# Altium PCB PCB1.PcbDoc
Units mil, origin at the board's own origin, x right, y up, seen from the top; angles counter-clockwise.
Board outline 2440.94 x 1541.95 mil, 2 copper layers (Top Layer, Bottom Layer); 69 components, 85 nets, 281 pads, 318 vias.
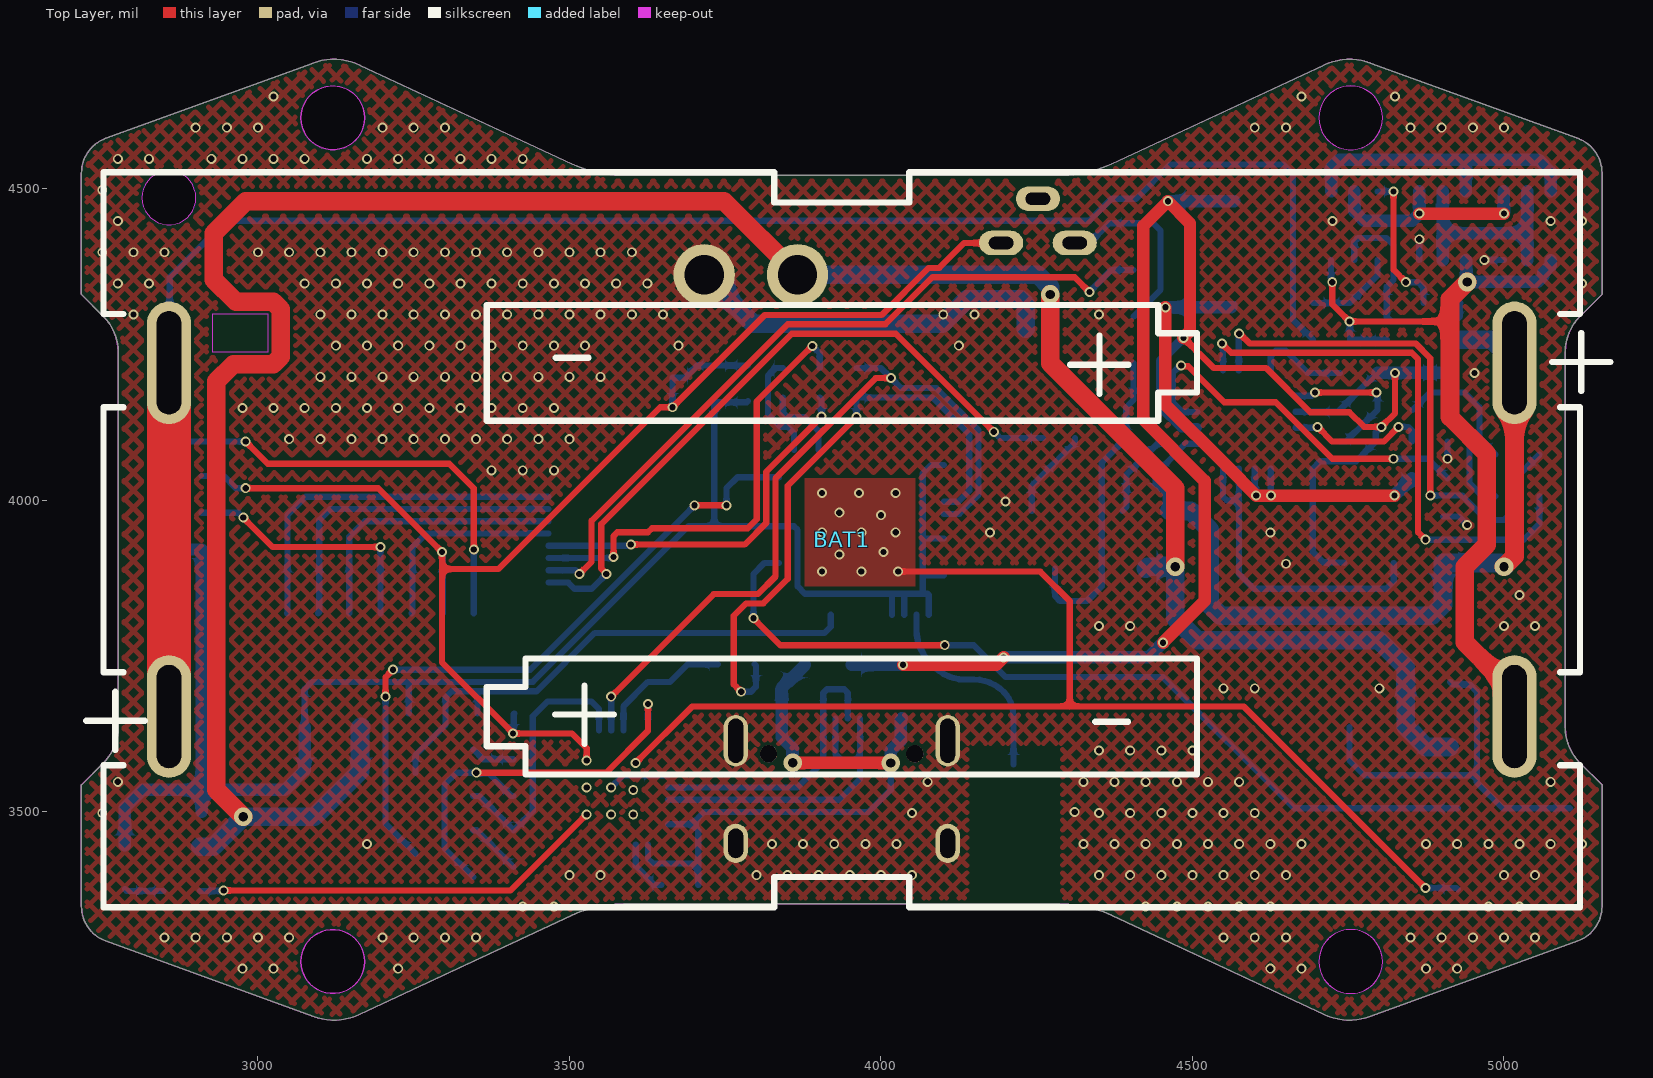
[diagram p0: Top Layer view]
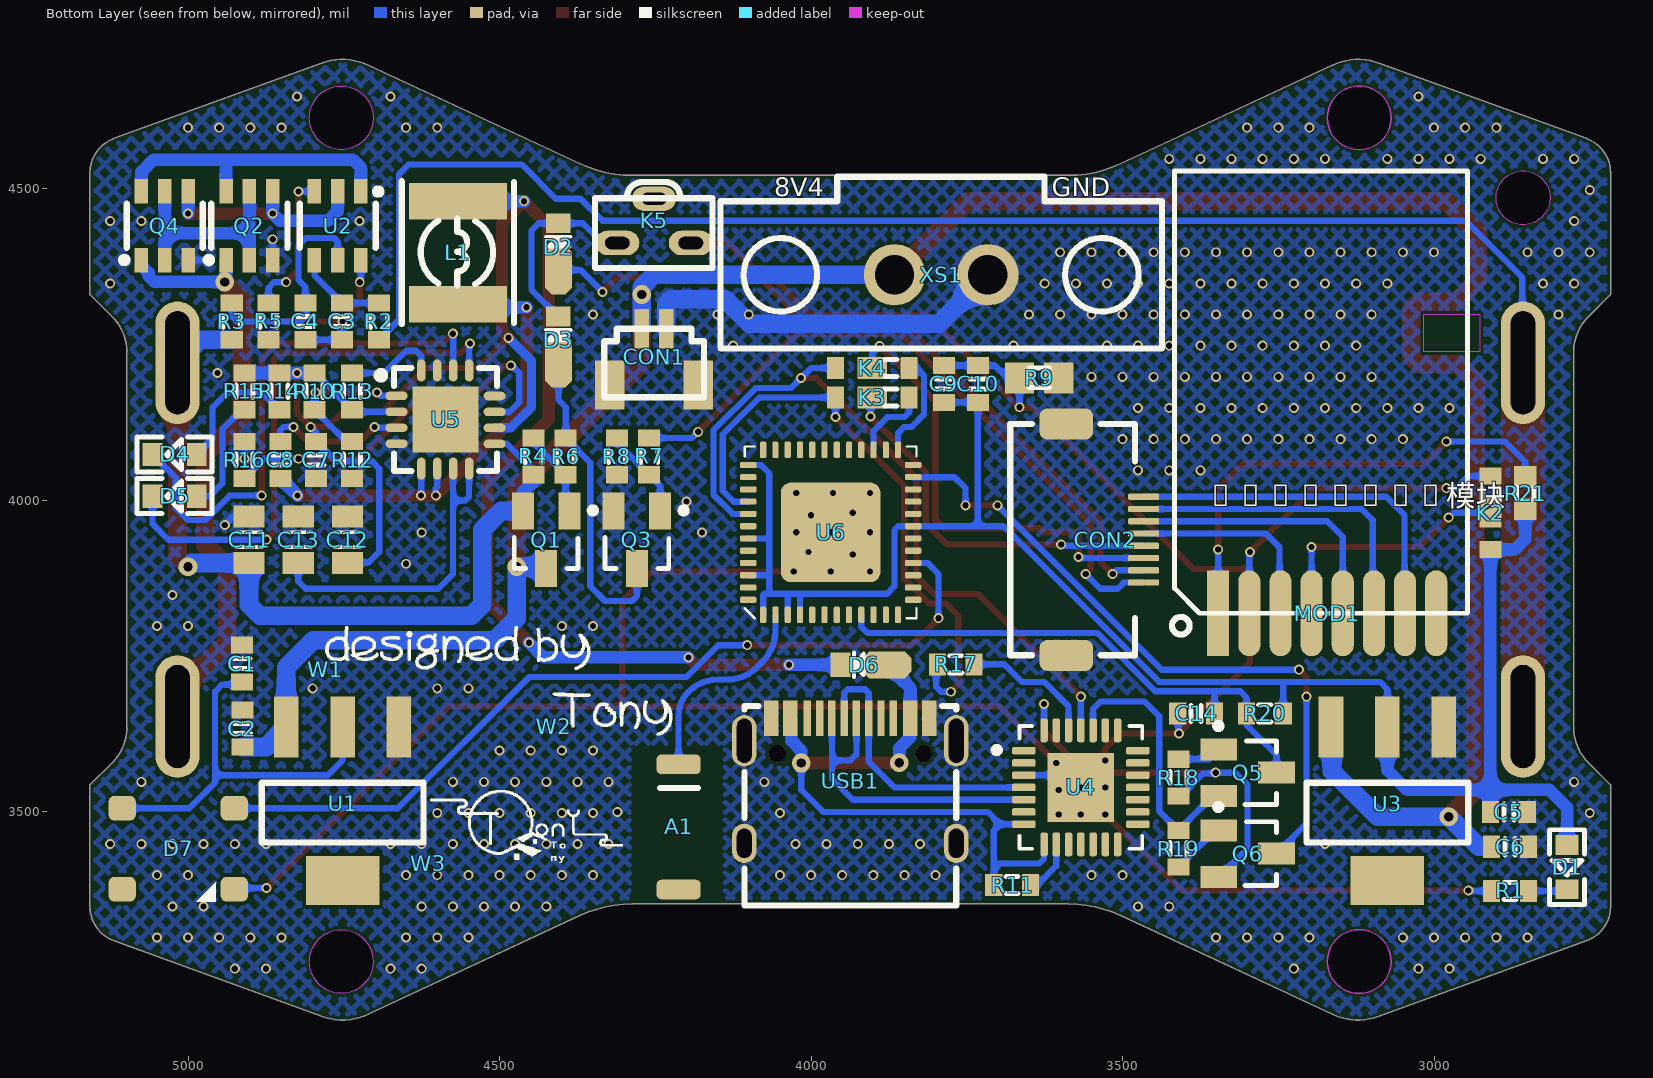
[diagram p1: Bottom Layer view, seen from below]
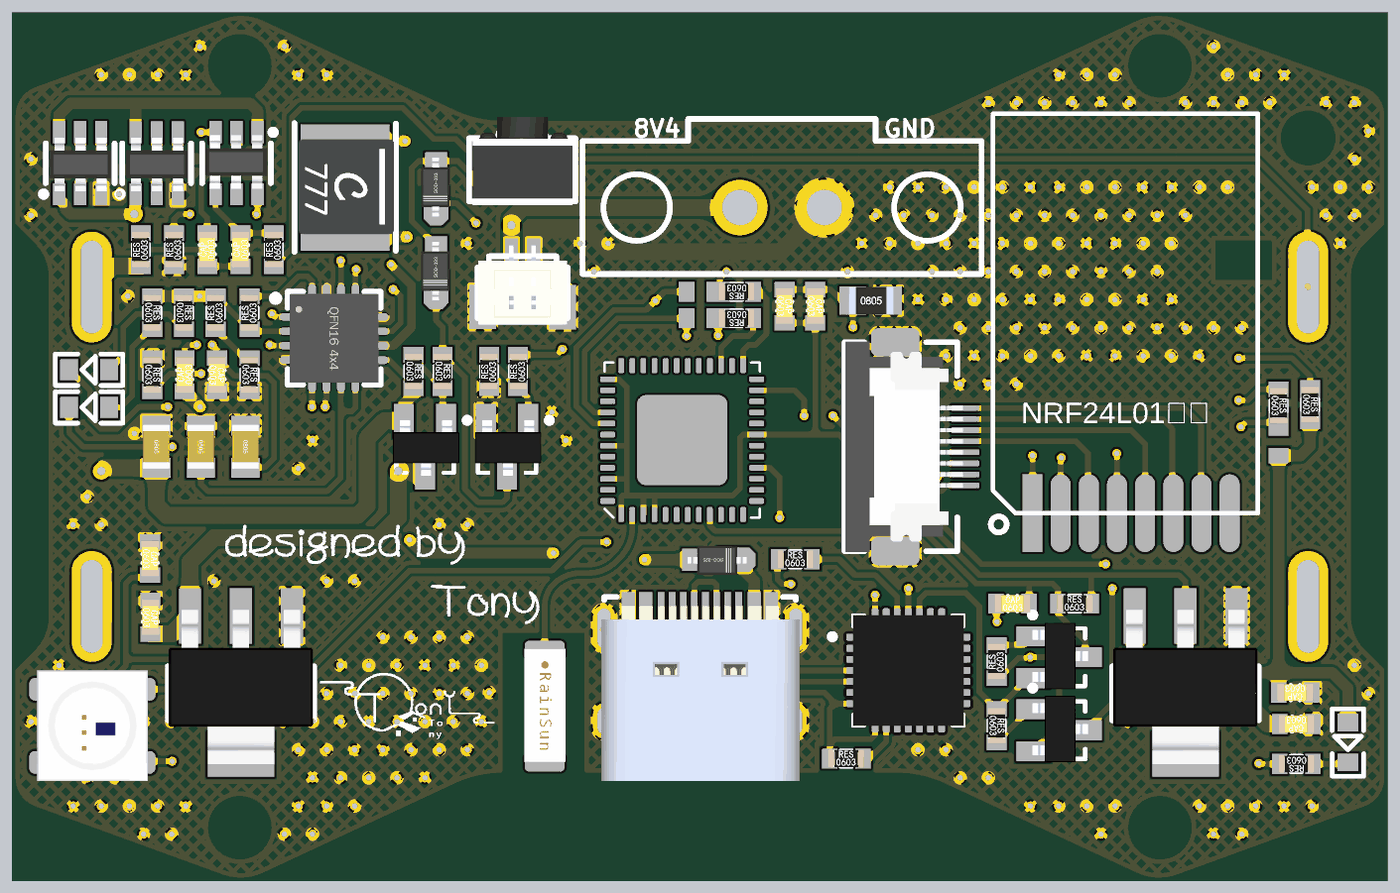
[diagram p2: 3D render of the assembled board from below, using the file's embedded part models]

## Layer stack, top to bottom
Top Solder: solder mask 0.4, Solder Resist, Dk 3.5
Top Layer: signal copper 1.4
Dielectric 1: dielectric 12.6, FR-4, Dk 4.8
Bottom Layer: signal copper 1.4
Bottom Solder: solder mask 0.4, Solder Resist, Dk 3.5

## Board outline
2716.54,3348.44 2716.54,3543.31 2752.53,3579.3 ccw(c2696.85,3634.98) 2775.59,3634.98 2775.59,4239.04 ccw(c2696.85,4239.04) 2752.53,4294.72 2716.54,4330.71 2716.54,4525.58 cw(c2775.59,4525.58) 2755.39,4581.07 3088.03,4702.14 cw(c3121.7,4609.65) 3163.29,4698.86 3503.76,4540.1 ccw(c3586.95,4718.5) 3586.95,4521.65 4287.07,4521.65 ccw(c4287.07,4718.5) 4370.26,4540.1 4710.72,4698.86 cw(c4752.32,4609.65) 4785.98,4702.14 5118.62,4581.07 cw(c5098.43,4525.58) 5157.48,4525.58 5157.48,4330.71 5121.49,4294.72 ccw(c5177.17,4239.04) 5098.43,4239.04 5098.43,3634.98 ccw(c5177.17,3634.98) 5121.49,3579.3 5157.48,3543.31 5157.48,3348.44 cw(c5098.43,3348.44) 5118.62,3292.94 4785.98,3171.87 cw(c4752.32,3264.36) 4710.72,3175.16 4370.26,3333.92 ccw(c4287.07,3155.51) 4287.07,3352.36 3586.95,3352.36 ccw(c3586.95,3155.51) 3503.76,3333.92 3163.29,3175.16 cw(c3121.7,3264.36) 3088.03,3171.87 2755.39,3292.94 cw(c2775.59,3348.44)
cut-out: 3120.08,4562.99 cw(c3120.08,4614.17) 3068.9,4614.17 cw(c3120.08,4614.17) 3120.08,4665.35 cw(c3120.08,4614.17) 3171.26,4614.17 cw(c3120.08,4614.17)
cut-out: 4702.76,4614.17 ccw(c4753.94,4614.17) 4753.94,4562.99 ccw(c4753.94,4614.17) 4805.12,4614.17 ccw(c4753.94,4614.17) 4753.94,4665.35 ccw(c4753.94,4614.17)
cut-out: 4702.76,3259.84 ccw(c4753.94,3259.84) 4753.94,3208.66 ccw(c4753.94,3259.84) 4805.12,3259.84 ccw(c4753.94,3259.84) 4753.94,3311.02 ccw(c4753.94,3259.84)
cut-out: 3120.08,3208.66 cw(c3120.08,3259.84) 3068.9,3259.84 cw(c3120.08,3259.84) 3120.08,3311.02 cw(c3120.08,3259.84) 3171.26,3259.84 cw(c3120.08,3259.84)

## Design rules (kind name [scope] priority, off if disabled: settings)
Clearance [All] p1: gap=5 ignorepadtopadclearanceinfootprint=TRUE
ComponentClearance [All] p1: gap=10 collisioncheckmode=3 verticalgap=-20 showdistances=FALSE
PlaneConnect [All] p1: planeconnectstyle=Direct reliefexpansion=20 reliefentries=4 reliefconductorwidth=10 reliefairgap=10
PolygonConnect [All] p1: connectstyle=Direct reliefconductorwidth=10 reliefentries=4 polygonreliefangle="90 Angle" airgapwidth=10
RoutingVias [All] p1: holewidth=28 width=50 viastyle="Through Hole" minholewidth=28 minwidth=50 maxholewidth=28 maxwidth=50
SolderMaskExpansion [All] p1: expansion=4 istentingtop=FALSE
Width [All] p1: maxlimit=100 minlimit=4 preferedwidth=10
28 further rules are at their usual default settings.

## Components (designator, comment, footprint, x,y, rotation, side; value= is the part's Value field where it differs from the comment)
A1 "RAINSUN" ANT-Rainsun-AN5120 4212.6,3476.38 r270 bottom
BAT1 "BAT 14500两节电池座" "BAT5#x2 电池座" 2857.09,4220.87 r0 top locked
C1 "0603-22u" CAP_0603 4898.39,3738.19 r270 bottom
C2 "0603-106" CAP_0603 4897.64,3633.86 r270 bottom
C3 "0603-104" CAP_0603 4767.72,4287.4 r90 bottom
C4 "0603-104" CAP_0603 4826.77,4287.4 r90 bottom
C5 "0603-22u" CAP_0603 2879.92,3485 r0 bottom
C6 "0603-106" CAP_0603 2877.95,3429.13 r0 bottom
C7 "0603-104" CAP_0603 4779.36,4064.96 r270 bottom
C8 "0603-104" CAP_0603 4866.9,4064.96 r90 bottom
C9 "10uF" CAP_0603 3771.65,4187.01 r270 bottom
C10 "0.1uF" CAP_0603 3717.28,4187.01 r270 bottom
C11 "0805-22uF" CAP_0805 4902.16,3937.01 r270 bottom
C12 "0805-22uF" CAP_0805 4744.09,3937.01 r270 bottom
C13 "0805-22uF" CAP_0805 4823.13,3937.01 r270 bottom
C14 "1uF" CAP_0603 3381.89,3673.23 r180 bottom
CON1 "SH1.0_2" "SH1.0 Vertical 2P" 4251.97,4275.59 r0 bottom
CON2 "FFC_0.5_8" FFC_0.5_8 3555.12,3937.01 r270 bottom
D1 "led" led0603 2791.34,3409.45 r270 bottom
D2 "ss14" SOD-323 4405.51,4444.88 r270 bottom
D3 "ss14" SOD-323 4405.51,4295.28 r270 bottom
D4 "Green" led0603 5023.62,4078.74 r0 bottom
D5 "Red" led0603 5023.62,4011.81 r0 bottom
D6 "ss14" SOD-323 3952.76,3736.22 r180 bottom
D7 "RGB" LED_5050_WS2812B 5015.75,3440.94 r180 bottom
K2 "Switch 1-2" "Switch 1-2 0603" 2909.45,4039.37 r270 bottom
K3 "Switch 1-2" "Switch 1-2 0603" 3842.52,4165.35 r0 bottom
K4 "Switch 1-2" "Switch 1-2 0603" 3842.52,4212.6 r0 bottom
K5 "4.5-4.5-5按键" 4.5-4.5-5按键 4251.97,4484.25 r180 bottom
L1 "2.2uH" NR4012 4566.93,4480.31 r270 bottom
MOD1 "NRF24L01模块" NRF24L01模块-贴片 3346.46,3818.9 r90 bottom locked
Q1 "ME7839S-G" SOT23 4425.2,3937.01 r0 bottom
Q2 "FS8205A" SOT23-6 4938.97,4385.82 r90 bottom
Q3 "S8050" SOT23 4279.53,3937.01 r0 bottom
Q4 "FS8205A" SOT23-6 5074.8,4385.83 r90 bottom
Q5 "NPN" SOT23 3299.21,3562.99 r270 bottom
Q6 "NPN" SOT23 3299.21,3433.07 r270 bottom
R1 "0603-3k" RES_0603 2877.95,3358.27 r0 bottom
R2 "0603-330" RES_0603 4708.66,4287.4 r90 bottom
R3 "0603-330" RES_0603 4944.88,4287.4 r90 bottom
R4 "0603-100K" RES_0603 4430.63,4070.87 r270 bottom
R5 "0603-2K" RES_0603 4885.83,4287.4 r90 bottom
R6 "0603-100" RES_0603 4378.95,4070.87 r270 bottom
R7 "0603-1K" RES_0603 4274.84,4070.87 r90 bottom
R8 "0603-10K" RES_0603 4326.52,4070.87 r90 bottom
R9 "0R" RES_0805-SHORT 3633.86,4196.85 r180 bottom
R10 "0603-100k" RES_0603 4812.09,4175.2 r90 bottom
R11 "10K" RES_0603 3677.17,3397.64 r180 bottom
R12 "0603-100k" RES_0603 4721.81,4064.96 r270 bottom
R13 "0603-10k" RES_0603 4751.81,4175.2 r90 bottom
R14 "0603-3k" RES_0603 4838.27,4175.2 r270 bottom
R15 "0603-3k" RES_0603 4894.45,4175.2 r270 bottom
R16 "0603-5k1" RES_0603 4894.45,4064.96 r270 bottom
R17 "200R" RES_0603 3767.72,3751.97 r180 bottom
R18 "12K" RES_0603 3425.2,3555.12 r90 bottom
R19 "12K" RES_0603 3395.2,3440.94 r270 bottom
R20 "10K" RES_0603 3271.65,3673.23 r180 bottom
R21 "0R" RES_0603-SHORT 2838.58,4011.81 r270 bottom
U1 "AMS1117-5V" SOT223 4751.97,3389.76 r0 bottom
U2 "HY2120-AB" SOT23-6 4722.44,4496.07 r270 bottom
U3 "AMS1117-3V3" SOT223 3074.8,3389.76 r0 bottom
U4 "CP2102" QFN-28 3566.93,3539.37 r180 bottom value=Value
U5 "SLM6800" QFN-16_4x4 4665.35,4167.92 r180 bottom
U6 "ESP32_SIP" QFN-48_7X7 3968.5,3948.82 r90 bottom
USB1 "Type-C" TypeC-304-16BCP 3766.93,3614.17 r180 bottom
W1 "设计于" "designed by（430-70）" 4779.53,3728.35 r180 bottom
W2 "Tony" Tony_2(200-70) 4413.39,3637.8 r180 bottom
W3 "Tony" Tony_artist 4614.17,3417.32 r180 bottom
XS1 "HDR-1X2" 15EDGVM-2P 3791.14,4362.2 r180 bottom

## Footprints (in the part's own frame and the unit in brackets; to place one, negate y for a bottom-side part, rotate by r counter-clockwise, add the part's x,y. Pads: shape width x height; smd on the part's side, far side on the other; paste and mask are expansions set on the pad)
4.5-4.5-5按键 [mm]
  oval 1.8x1 hole 0.5 slot 1 at 0 deg: 1(-1.5,-1.8) 2(1.5,-1.8) ""(0,0)
  silkscreen extent -2.41,-2.82 2.39,0.69, body extent -2.25,-3 2.25,1, height 4.5
15EDGVM-2P [mm] "螺丝紧固端子，间距3.81mm"
  round 2.5 hole 1.6: 1(-1.905,0) 2(1.905,0)
  silkscreen extent -9,-3 9,4, body extent -9,-2.88 9,4.12, height 9.2
ANT-Rainsun-AN5120 [mm] "选择焊盘"
  rrect50% 0.8x1.8 smd: 1(-2.54,0) ""(2.563,0)
  silkscreen extent -1.57,-0.76 -1.57,0.79, body extent -2.57,-0.91 2.54,0.94, height 1.32
"BAT5#x2 电池座" [mm] "14500两节电池座"
  oval 1.8x5 hole 1 slot 4.2 at 90 deg mask+0.102: 1(0,-14.42) 2(54.86,-14.42) 3(54.86,0) 4(0,0)
  Keep-Out Layer board cut-out: 1.1,6.73 0.991,7.207 0.686,7.589 0.245,7.802 -0.244,7.802 -0.685,7.589 -0.99,7.207 -1.099,6.73 -1.099,6.73 -0.99,6.252 -0.685,5.87 -0.244,5.657 0.245,5.657 0.686,5.87 0.991,6.252 1.1,6.73
  silkscreen extent -3.37,-22.2 58.78,7.77, body extent -2.41,-22.13 57.52,7.85, height 16.36
CAP_0603 [mm]
  rect 0.7x0.9 smd: 1(-0.75,-0.381) 2(0.75,-0.381)
  silkscreen extent -0.2,-0.71 0.2,-0.05, body extent -0.8,-0.78 0.8,0.02, height 0.8
CAP_0805 [mil] "无极性贴片电容"
  rect 35x50 smd: 1(-37.4,0) 2(37.4,0)
  silkscreen extent -12,-21 12,21, body extent -39,-24 39,24, height 20
"designed by（430-70）" [mil]
  silkscreen extent 0,0 425,69
FFC_0.5_8 [mil]
  rrect50% 50x86 smd: 0(-185.63,-35) 0(185.63,-35)
  rrect50% 10x50 smd: 1(-68.9,89) 2(-49.21,89) 3(-29.53,89) 4(-9.84,89) 5(9.84,89) 6(29.53,89) 7(49.21,89) 8(68.9,89)
  silkscreen extent -186,-125 186,75, body extent -187,-124 187,87, height 82
led0603 [mm]
  rect 0.8x0.95 smd: 1(-0.95,0.125) 2(0.85,0.125)
  silkscreen extent -1.57,-0.59 1.47,0.84, body extent -1.02,-0.4 1,0.67, height 0.5
LED_5050_WS2812B [mil]
  rrect50% 44x40 smd: 1(-90,65) 2(-90,-65) 3(90,-65) 4(90,65)
  silkscreen extent 30,-85 60,-55, body extent -106,-98 106,98, height 31
NR4012 [mm] "4.3*4.3*1.2mm"
  rect 1.5x4 smd: 1(0,0) 2(4.2,0)
  silkscreen extent -0.81,-2.29 5,2.29, body extent -0.09,-2.1 4.21,2.2, height 1.1
NRF24L01模块-贴片 [mm] "telsky配套贴片封装"
  rect 3.5x0.9 smd: 1(0,0)
  oval 3.5x0.9 smd: 2(0,-1.27) 3(0,-2.54) 4(0,-3.81) 5(0,-5.08) 6(0,-6.35) 7(0,-7.62) 8(0,-8.89)
  Keep-Out Layer region: 10.667,-8.382 12.191,-8.382 12.191,-10.668 10.667,-10.668
  silkscreen extent -0.87,-10.16 18.03,1.88
QFN-16_4x4 [mm] "4x4"
  oval 0.9x0.35 smd paste+0 mask+0.051: 1(0,0) 2(0,-0.65) 3(0,-1.3) 4(0,-1.951) 9(4,-1.956) 10(4,-1.306) 11(4,-0.655) 12(4,-0.005)
  oval 0.35x0.9 smd paste+0 mask+0.051: 5(1.009,-2.965) 6(1.66,-2.965) 7(2.31,-2.965) 8(2.96,-2.965) 13(2.96,1.035) 14(2.31,1.035) 15(1.66,1.035) 16(1.009,1.035)
  rect 2.7x2.7 smd paste+0 mask+0.051: 17(2,-0.965)
  silkscreen extent -0.79,-3.07 4.1,1.13, body extent 0,-2.97 4.02,1.05, height 0.75
QFN-28 [mil]
  rrect50% 38x12 smd mask+5: 1(-91.5,59.06) 2(-91.5,39.37) 3(-91.5,19.68) 4(-91.5,0) 5(-91.5,-19.68) 6(-91.5,-39.37) 7(-91.5,-59.06) 15(91.5,-59.06) 16(91.5,-39.37) 17(91.5,-19.68) 18(91.5,0) 19(91.5,19.68) 20(91.5,39.37) 21(91.5,59.06)
  rrect50% 12x38 smd mask+5: 8(-59.06,-91.5) 9(-39.37,-91.5) 10(-19.68,-91.5) 11(0,-91.5) 12(19.68,-91.5) 13(39.37,-91.5) 14(59.06,-91.5) 22(59.06,91.5) 23(39.37,91.5) 24(19.68,91.5) 25(0,91.5) 26(-19.68,91.5) 27(-39.37,91.5) 28(-59.06,91.5)
  rect 106.3x110.24 smd: 29(0,0)
  silkscreen extent -140,-99 99,99, body extent -99,-99 98,98, height 35
QFN-48_7X7 [mm]
  rrect20% 4.064x4.064 smd: 0(0,0)
  rrect50% 0.675x0.25 smd: 1(-3.363,2.75) 2(-3.363,2.25) 3(-3.363,1.75) 4(-3.363,1.25) 5(-3.363,0.75) 6(-3.363,0.25) 7(-3.363,-0.25) 8(-3.363,-0.75) 9(-3.363,-1.25) 10(-3.363,-1.75) 11(-3.363,-2.25) 12(-3.363,-2.75) 25(3.363,-2.75) 26(3.363,-2.25) 27(3.363,-1.75) 28(3.363,-1.25) 29(3.363,-0.75) 30(3.363,-0.25) 31(3.363,0.25) 32(3.363,0.75) 33(3.363,1.25) 34(3.363,1.75) 35(3.363,2.25) 36(3.363,2.75)
  rrect50% 0.25x0.675 smd: 13(-2.75,-3.363) 14(-2.25,-3.363) 15(-1.75,-3.363) 16(-1.25,-3.363) 17(-0.75,-3.363) 18(-0.25,-3.363) 19(0.25,-3.363) 20(0.75,-3.363) 21(1.25,-3.363) 22(1.75,-3.363) 23(2.25,-3.363) 24(2.75,-3.363) 37(2.75,3.363) 38(2.25,3.363) 39(1.75,3.363) 40(1.25,3.363) 41(0.75,3.363) 42(0.25,3.363) 43(-0.25,3.363) 44(-0.75,3.363) 45(-1.25,3.363) 46(-1.75,3.363) 47(-2.25,3.363) 48(-2.75,3.363)
  silkscreen extent -3.5,-3.5 3.5,3.5, body extent -3.5,-3.5 3.5,3.5, height 1
RES_0603 [mm]
  rect 0.7x0.9 smd: 1(-0.75,-0.381) 2(0.75,-0.381)
  silkscreen extent -0.25,-0.73 0.25,-0.03, body extent -0.8,-0.78 0.8,0.02, height 0.45
RES_0603-SHORT [mm]
  rect 0.9x0.9 smd: 1(-0.65,-0.381) 2(0.65,-0.381)
  silkscreen extent -0.25,-0.73 0.25,-0.03, body extent -0.8,-0.78 0.8,0.02, height 0.45
RES_0805-SHORT [mm]
  rect 1.2x1.27 smd: 1(-0.8,0) 2(0.8,0)
  silkscreen extent -0.43,-0.4 0.43,0.4, body extent -0.98,-0.63 1.02,0.63, height 0.37
"SH1.0 Vertical 2P" [mm] "SH1.0 接插件 立式"
  rect 1.2x2 smd: 0(-1.8,2.3) 0(1.8,2.286)
  rect 0.6x1.6 smd: 1(0.5,0) 2(-0.5,0)
  silkscreen extent -2.03,0 2.03,2.79, body extent -2,-0.51 2,3.09, height 4.25
SOD-323 [mm] "1.8x1.3X0.9mm（长宽高，不包括引脚）"
  oct 2x1.1 smd: 1(1.9,0)
  rect 0.8x1 smd: 2(0,0)
  silkscreen extent 0.55,-0.51 0.95,0.51, body extent -0.15,-0.67 2.5,0.63, height 1
SOT23 [mm]
  rect 0.9x1.5 smd: 1(-0.95,-1.175) 2(0.95,-1.175) 3(0,1.175)
  silkscreen extent -2.03,-1.32 1.3,1.18, body extent -1.55,-1.2 1.45,1.3, height 1.05
SOT23-6 [mm]
  rect 1x0.55 smd: 1(0,0) 2(0,-0.95) 3(0,-1.9) 4(2.8,-1.9) 5(2.8,-0.95) 6(2.8,0)
  silkscreen extent -0.12,-2.5 2.3,0.83, body extent 0.13,-2.36 2.55,0.43, height 1.09
SOT223 [mm]
  rect 1x2.5 smd: 1(-2.3,-6.262) 2(0,-6.262) 3(2.3,-6.262)
  rect 3x2 smd: ""(0,0)
  silkscreen extent -3.3,-3.99 3.3,-1.55, body extent -3.25,-6.53 3.25,0.43, height 1.7
"Switch 1-2 0603" [mm] "单刀双掷0603贴片选择开关"
  rect 0.7x0.9 smd: 1(0,0) 3(3,0)
  rect 1.2x0.9 smd: 2(1.5,0)
  silkscreen extent 0.5,-0.35 1,0.35, body extent -0.05,-0.4 1.55,0.4, height 0.45
Tony_2(200-70) [mil]
  silkscreen extent -1,-15 191,53
Tony_artist [mil]
  silkscreen extent 3,1 312,117
TypeC-304-16BCP [mm]
  oval 1x2.1 hole 0.6 slot 1.8 at 90 deg: 13(-8.64,0) 14(0,0)
  oval 1x1.6 hole 0.6 slot 1.2 at 90 deg: 15(-8.64,-4.18) 16(0,-4.18)
  rect 0.6x1.45 smd: A1B12(-7.545,0.915) A4B9(-6.77,0.915) B1A12(-1.1,0.915) B4A9(-1.87,0.915)
  rect 0.3x1.45 smd: A5(-5.57,0.914) A6(-4.57,0.915) A7(-4.07,0.915) A8(-3.07,0.915) B5(-2.57,0.915) B6(-3.57,0.915) B7(-5.07,0.915) B8(-6.07,0.915)
  round 0.7 hole 0.7 unplated: ""(-7.3,-0.53) ""(-1.34,-0.53)
  silkscreen extent -8.64,-6.71 0,1.42, body extent -8.77,-6.9 0.17,1, height 3.11

## Part data
A1: library part ANT-Rainsun-AP5120
BAT1: library part BAT5#x2电池座
C1 C2 C3 C4 C5 C6 C7 C8 C9 C10 C11 C12 C13 C14: library part cap
CON1: "SH1.0 座子"
CON2: "FFC", System=Connector
D2 D3 D6: library part Diode
D4 D5: library part led
D7: library part RGB_4WIC, "LED", Type=5050
K2 K3 K4: "单刀双掷1-2"
L1: library part INDUCTOR
MOD1: "Telesky配套模块"
Q1: library part SI2333DS, "P沟道MOSFIT"
Q2 Q4: "2个N沟道 6A功率mos"
Q3: library part NPN
R1 R2 R3 R4 R5 R6 R7 R8 R10 R11 R12 R13 R14 R15 R16 R17 R18 R19 R20: library part Res
R9 R21: library part Res-SHORT
U1 U3: library part AMS1117
U2: library part HY2120
U4: "USB转TTL", MFG #1="SILICON LABS", PART DESC="SINGLE-CHIP USB TO UART BRIDGE, QFN28, RoHS.", PART NUMBER=CP2102, RefDes=RefDes, Type=DEV
U5: "双锂电池充电芯片"
U6: library part ESP32-PICO
USB1: library part Type-C母口
XS1: library part "Header 2", "2P接插件", BOM名称=2P接插件, 学习资源=www.ooocke.com, 版权归属=源创客

## Via types
v1: diameter 16, hole 10, Top Layer to Bottom Layer, 311 vias
v2: diameter 30, hole 15, Top Layer to Bottom Layer, 7 vias
